# KiCad board digital.kicad_pcb (continued)
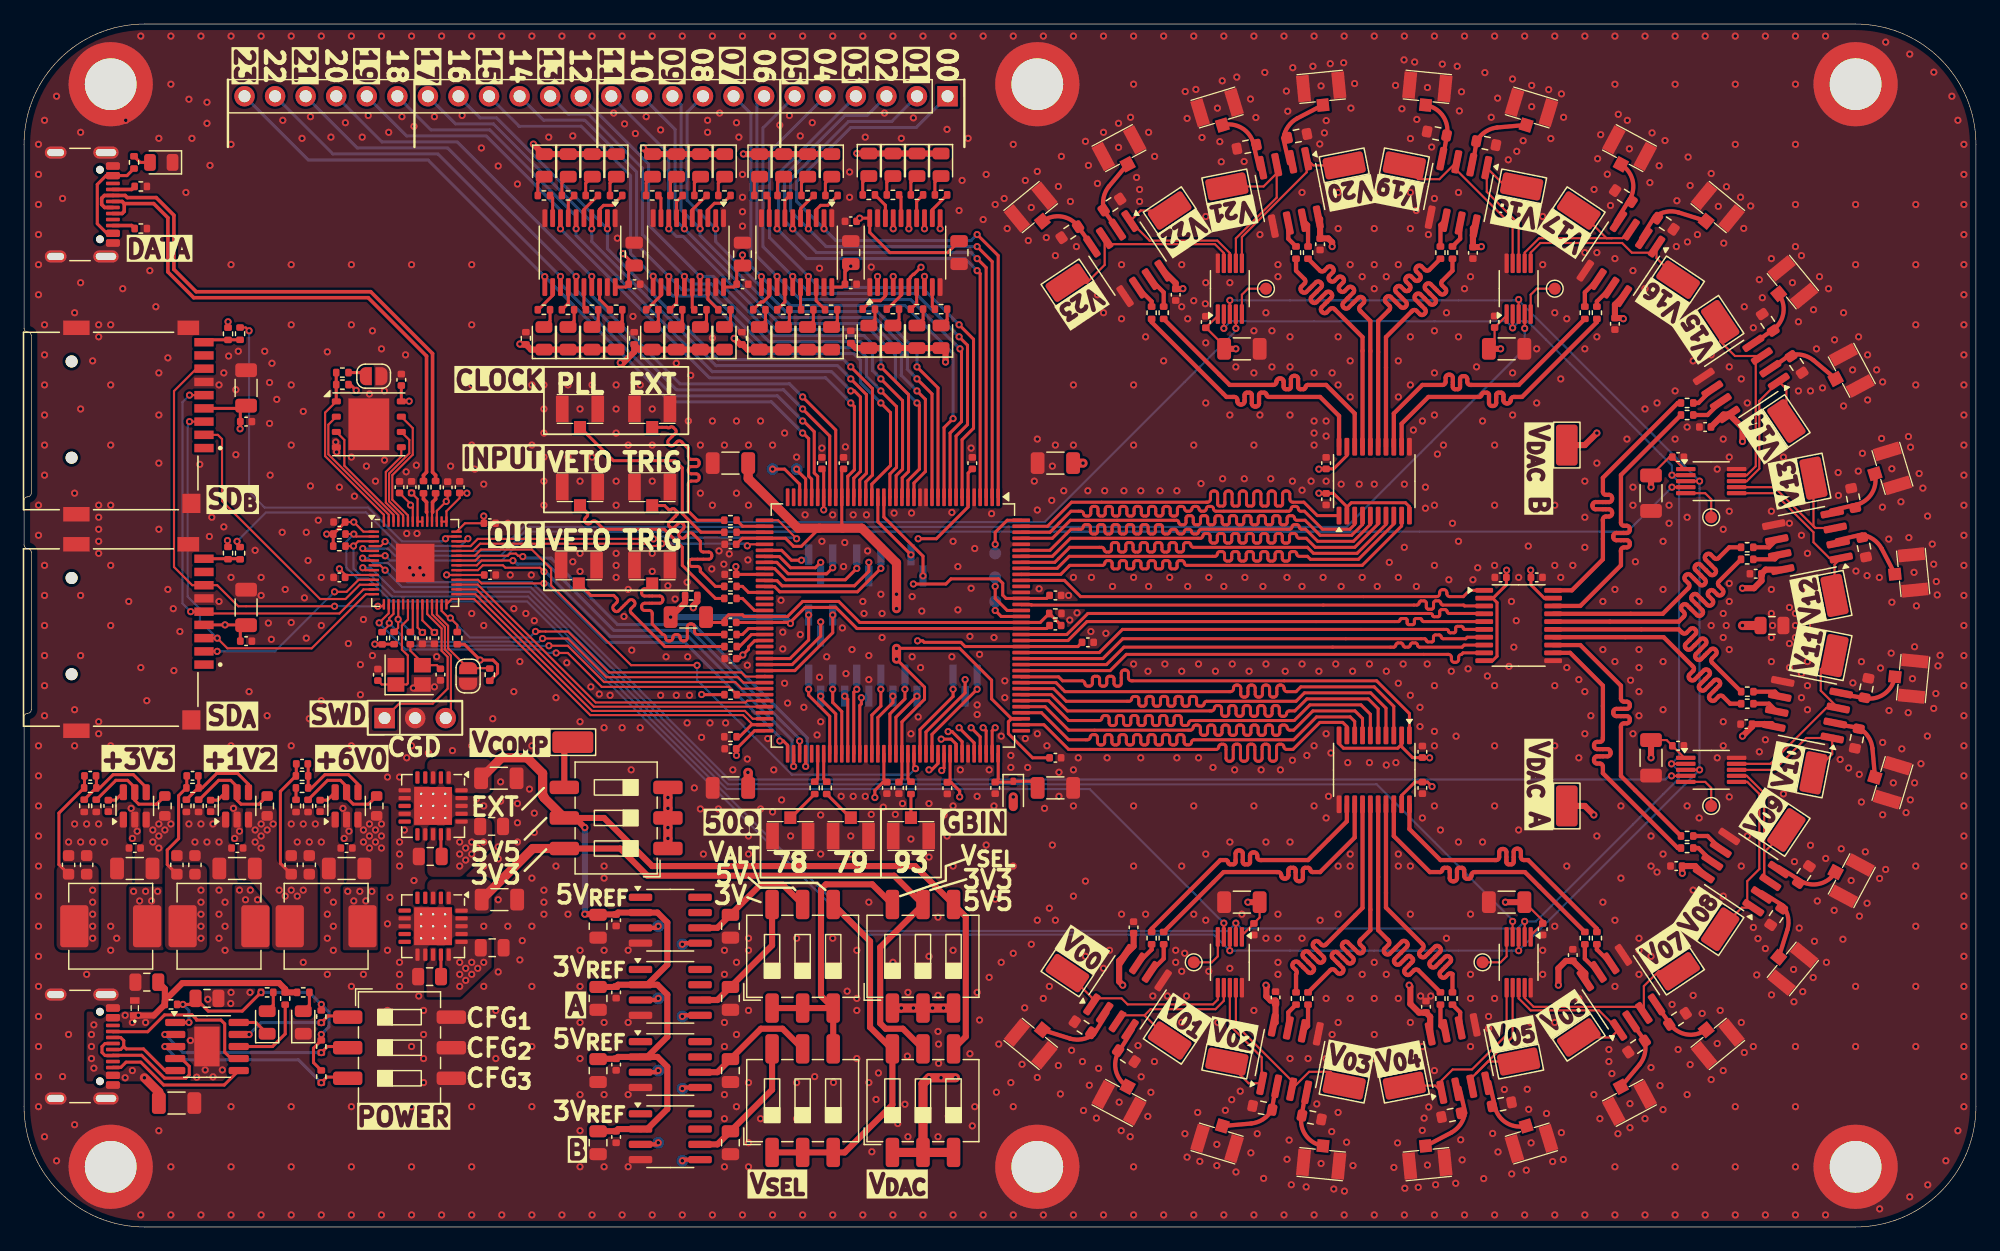
[diagram p0: board, top side]
## Nets (continued)
Net-(D7-K): C19.1 C20.1 D7.1 U1.108
Net-(D8-A): D8.2 R16.1
Net-(D9-A): D9.2 R18.1
Net-(D11-A): D11.2 R53.2
Net-(D12-A): D12.2 R54.2
Net-(D12-K): D12.1 U10.10
Net-(D13-A): D13.2 R58.1
Net-(D14-A): D14.2 R61.1
Net-(D14-K): D14.1 D15.1 D16.1 D17.1 D18.1 D19.1 D20.1 D21.1 R69.1
Net-(D15-A): D15.2 R62.1
Net-(D16-A): D16.2 R63.1
Net-(D17-A): D17.2 R64.1
Net-(D18-A): D18.2 R65.1
Net-(D19-A): D19.2 R66.1
Net-(D20-A): D20.2 R67.1
Net-(D21-A): D21.2 R68.1
Net-(D22-A): D22.2 R70.1
Net-(D22-K): D22.1 D23.1 D24.1 D25.1 D26.1 D27.1 D28.1 D29.1 R78.1
Net-(D23-A): D23.2 R71.1
Net-(D24-A): D24.2 R72.1
Net-(D25-A): D25.2 R73.1
Net-(D26-A): D26.2 R74.1
Net-(D27-A): D27.2 R75.1
Net-(D28-A): D28.2 R76.1
Net-(D29-A): D29.2 R77.1
Net-(D30-A): D30.2 R80.1
Net-(D30-K): D30.1 D31.1 D32.1 D33.1 D34.1 D35.1 D36.1 D37.1 R88.1
Net-(D31-A): D31.2 R81.1
Net-(D32-A): D32.2 R82.1
Net-(D33-A): D33.2 R83.1
Net-(D34-A): D34.2 R84.1
Net-(D35-A): D35.2 R85.1
Net-(D36-A): D36.2 R86.1
Net-(D37-A): D37.2 R87.1
Net-(J1-In): J1.1 R1.1
Net-(J2-In): J2.1 R2.1
Net-(J3-In): J3.1 R3.1
Net-(J4-In): J4.1 R4.1
Net-(J5-In): J5.1 R5.1
Net-(J6-In): J6.1 R6.1
Net-(J7-In): J7.1 R7.1
Net-(J8-In): J8.1 R8.1
Net-(J9-In): J9.1 R9.1
Net-(J10-Pin_1): J10.1 U1.42
Net-(J10-Pin_2): J10.2 U1.43
Net-(J10-Pin_3): J10.3 U1.44
Net-(J11-Pin_1): J11.1 U1.45
Net-(J11-Pin_2): J11.2 U1.47
Net-(J11-Pin_3): J11.3 U1.48
Net-(J12-Pin_1): J12.1 U1.80
Net-(J12-Pin_2): J12.2 U1.81
Net-(J12-Pin_3): J12.3 U1.82
Net-(J12-Pin_4): J12.4 U1.83
Net-(J12-Pin_5): J12.5 U1.84
Net-(J12-Pin_6): J12.6 U1.85
Net-(J12-Pin_7): J12.7 U1.87
Net-(J12-Pin_8): J12.8 U1.88
Net-(J12-Pin_9): J12.9 U1.90
Net-(J12-Pin_10): J12.10 U1.91
Net-(J13-Pin_1): J13.1 U1.60
Net-(J13-Pin_2): J13.2 U1.61
Net-(J13-Pin_3): J13.3 U1.62
Net-(J14-Pin_1): J14.1 U1.21
Net-(J14-Pin_2): J14.2 U1.20
Net-(J15-Pin_1): J15.1 U1.95
Net-(J15-Pin_2): J15.2 U1.96
Net-(J15-Pin_3): J15.3 U1.97
Net-(J16-DET): J16.9 R32.2 R33.1
Net-(J18-DET): J18.9 R35.2 R36.1
Net-(J19-CC1): J19.A5 U10.7
Net-(J19-CC2): J19.B5 U10.6
Net-(J20-CC1): J20.A5 R59.2
Net-(J20-CC2): J20.B5 R60.1
Net-(J20-VBUS-PadA4): J20.A4 J20.A9 J20.B4 J20.B9 R58.2
Net-(JP1-B): JP1.2 R24.1 U4.26
Net-(JP2-B): JP2.2 R27.1
Net-(R48-Pad2): R48.2 R50.2
Net-(SW6-Pad4): SW6.4 TP44.1
Net-(U1A-IOT_197_GBIN1): TP1.1 U1.128
Net-(U1A-IOT_198_GBIN0): TP2.1 U1.129
Net-(U1A-IOT_222): TP3.1 U1.144
Net-(U1D-IOL_25A): TP45.1 U1.33
Net-(U1D-IOL_25B): TP46.1 U1.34
Net-(U1E-GNDPLL0): C21.2 C22.2 C23.2 R20.1 U1.53 U1.127
Net-(U1E-VCCPLL0): C21.1 C22.1 C23.1 R17.2 U1.54 U1.126
Net-(U2-1Y0): R10.2 U2.18
Net-(U2-1Y1): R11.2 U2.16
Net-(U2-1Y2): R12.2 U2.14
Net-(U2-1Y3): R13.2 U2.12
Net-(U2-2Y0): R14.2 U2.3
Net-(U2-2Y1): R15.2 U2.5
Net-(U2-2Y2): R16.2 U2.7
Net-(U2-2Y3): R18.2 U2.9
Net-(U5-BOOT): C41.1 U5.6
Net-(U5-EN): R39.2 R41.2 U5.5
Net-(U5-FB): C44.1 R38.1 R40.2 U5.4
Net-(U5-SW): C41.2 L1.1 U5.2
Net-(U6-NR): C52.1 U6.14
Net-(U7-NR): C53.1 U7.14
Net-(U8-BOOT): C51.1 U8.6
Net-(U8-EN): R43.2 R45.2 U8.5
Net-(U8-FB): C56.1 R42.1 R44.2 U8.4
Net-(U8-SW): C51.2 L2.1 U8.2
Net-(U9-BOOT): C59.1 U9.6
Net-(U9-EN): R47.2 R49.2 U9.5
Net-(U9-FB): C62.1 R46.1 R48.1 U9.4
Net-(U9-SW): C59.2 L3.1 U9.2
Net-(U10-CFG1): R55.1 SW1.1 U10.9
Net-(U10-CFG2): R56.1 SW1.2 U10.2
Net-(U10-CFG3): R57.1 SW1.3 U10.3
Net-(U10-DM): J19.A7 J19.B7 U10.5
Net-(U10-DP): J19.A6 J19.B6 U10.4
Net-(U10-VBUS): R51.2 U10.8
Net-(U10-VDD): C67.1 R52.2 R54.1 R55.2 R56.2 R57.2 U10.1
Net-(U11-1Y0): R61.2 U11.18
Net-(U11-1Y1): R62.2 U11.16
Net-(U11-1Y2): R63.2 U11.14
Net-(U11-1Y3): R64.2 U11.12
Net-(U11-2Y0): R65.2 U11.3
Net-(U11-2Y1): R66.2 U11.5
Net-(U11-2Y2): R67.2 U11.7
Net-(U11-2Y3): R68.2 U11.9
Net-(U12-1Y0): R70.2 U12.18
Net-(U12-1Y1): R71.2 U12.16
Net-(U12-1Y2): R72.2 U12.14
Net-(U12-1Y3): R73.2 U12.12
Net-(U12-2Y0): R74.2 U12.3
Net-(U12-2Y1): R75.2 U12.5
Net-(U12-2Y2): R76.2 U12.7
Net-(U12-2Y3): R77.2 U12.9
Net-(U13-1Y0): R80.2 U13.18
Net-(U13-1Y1): R81.2 U13.16
Net-(U13-1Y2): R82.2 U13.14
Net-(U13-1Y3): R83.2 U13.12
Net-(U13-2Y0): R84.2 U13.3
Net-(U13-2Y1): R85.2 U13.5
Net-(U13-2Y2): R86.2 U13.7
Net-(U13-2Y3): R87.2 U13.9
Net-(U14-Temp): TP5.1 U14.3
Net-(U14-Trim/NR): TP6.1 U14.5
Net-(U15-RDY/~{BSY}): TP11.1 U15.5
Net-(U16-RDY/~{BSY}): TP18.1 U16.5
Net-(U17-Temp): TP14.1 U17.3
Net-(U17-Trim/NR): TP16.1 U17.5
Net-(U18-RDY/~{BSY}): TP23.1 U18.5
Net-(U19-Temp): TP25.1 U19.3
Net-(U19-Trim/NR): TP27.1 U19.5
Net-(U20-RDY/~{BSY}): TP31.1 U20.5
Net-(U21-RDY/~{BSY}): TP38.1 U21.5
Net-(U22-Temp): TP34.1 U22.3
Net-(U22-Trim/NR): TP36.1 U22.5
Net-(U23-RDY/~{BSY}): TP43.1 U23.5
Net-(U24-B1): R91.2 U24.20
Net-(U24-B2): R92.2 U24.18
Net-(U24-B3): R93.2 U24.17
Net-(U24-B4): R94.2 U24.16
Net-(U24-B5): R95.2 U24.15
Net-(U24-B6): R98.2 U24.14
Net-(U24-B7): R99.2 U24.13
Net-(U24-B8): R100.2 U24.12
Net-(U29-B1): R105.2 U29.20
Net-(U29-B2): R106.2 U29.18
Net-(U29-B3): R109.2 U29.17
Net-(U29-B4): R110.2 U29.16
Net-(U29-B5): R111.2 U29.15
Net-(U29-B6): R112.2 U29.14
Net-(U29-B7): R113.2 U29.13
Net-(U29-B8): R116.2 U29.12
Net-(U34-B1): R121.2 U34.20
Net-(U34-B2): R122.2 U34.18
Net-(U34-B3): R123.2 U34.17
Net-(U34-B4): R126.2 U34.16
Net-(U34-B5): R127.2 U34.15
Net-(U34-B6): R128.2 U34.14
Net-(U34-B7): R129.2 U34.13
Net-(U34-B8): R130.2 U34.12

Pads without a net: J16 1 8; J18 1 8; J19 A8 B8; J20 A8 B8; U1 35 36 50 51 58 77 109 133; U6 4 5 6 9 10; U7 4 5 8 10 11; U14 1 7 8; U17 1 7 8; U19 1 7 8; U22 1 7 8

## Via types
v1: diameter 0.6, hole 0.3, Top to Bottom, 1885 vias

## Routing (per net, layer and track width the routed paths; a pad name or vN(x,y) marks a point on that pad's centre or on a via; arc(x,y) is an arc through that point)
+1V1: length 22.8
  Top w0.178: 35.2,60.43 34.3,59.53 U4.45 ; 35.2,60.43 C33.1 ; 35.2,60.43 v1(35.08,60.32) ; U4.50 32.3,59.82 v1(32.11,60.01) 32.11,60.11 C25.1 ; v1(34.1,49.43) 33.1,50.43 U4.23 33.1,52.02 33.11,52.03
  In2.Cu w0.762: 34.1,59.33 v1(35.08,60.32) 34.78,60.01 ; 34.1,59.33 33.42,60.01 v1(32.11,60.01) ; 34.1,59.33 v1(34.1,49.43)
+1V2: length 176.4
  Top w0.254: C15.1 67.95,62.87 U1.27 67.95,58.14 68,58.09 ; v1(72.5,47.2) 74.83,44.87 74.83,43.86 72.95,41.99 U1.92 72.95,37.26 72.7,37.01 ; C46.2 11.9,30.13 11.9,31.34 12.84,32.28 12.84,35.85 R38.2 13.52,36.53 C44.2 ; v1(72.5,48.1) 77.75,48.1 80.4,45.45 80.4,43.9 82.05,42.25 U1.111 82.05,42.25 81.8,41.99 81.8,41.01 83.8,39 C13.1 ; 66.1,58.09 64.59,56.58 63.94,56.58 63.27,57.25 U1.40 59.69,57.25 59.19,56.75 C14.1 ; v1(72.5,51.4) v1(72.5,52.6) 72.5,54.34
  Top w0.508: v1(55.61,51.47) 55.61,51.66 55.95,52 R17.1
  Top w0.762: v1(72.5,47.2) v1(72.5,48.1) ; C16.1 60.17,62.22 64.31,58.09 69.61,58.09 72.5,55.2 v1(72.5,51.4)
  In2.Cu w0.762: v1(72.5,47.2) v1(72.5,52.6) 71.4,53.7 57.1,53.7 55.61,52.21 v1(55.61,51.47) 55.61,51.34 50.07,45.8 15.1,45.8 7.7,38.4 7.7,26.4 8.2,25.9 14.6,25.9 v1(14.7,26)
  vias: v1(14.7,28) v1(14.7,27) v1(14.7,25) v1(14.7,24)
+3V3: length 173.7
  Top w0.178: v1(26.2,54.71) 26.68,54.23 C27.1 26.88,54.2 U4.10 ; C28.1 U4.33 35.13,54.2 v1(35.12,54.21) ; U4.22 32.7,49.83 v1(33.1,49.43) ; v1(36.8,61) 36.78,61.02 C34.1 36.2,60.6 35.1,59.5 U4.43 U4.44 ; U4.48 U4.49 32.7,60.52 v1(32.2,61.02) ; 26.68,58.59 C26.1 v1(27.4,58.6) 28.2,57.8 U4.1 ; U4.42 36.64,58.5 C29.1 38.22,59.08 v1(38.2,59.1)
  Top w0.254: v1(17.95,66.35) 17.97,66.37 C38.1 17.97,67.8 C37.1 18.23,68.05 J18.4 ; C17.1 78.45,62.67 U1.6 78.45,59.85 75.81,57.21 v1(74.3,57.21) ; v1(59.2,39.2) 59.18,39.22 C8.1 59.2,39.75 60.7,41.25 U1.72 ; C3.1 87.57,48.25 U1.123 78.2,48.25 77.85,48.6 74.8,48.6 74.67,48.73 v1(74.25,48.73) ; U29.10 122.03,47.08 122.4,47.44 122.4,51.91 122.03,52.28 U29.2 122.07,52.28 123.18,53.38 C103.1 123.18,54.58 v1(123.2,54.6) ; C11.2 v1(69.44,83.86) U2.20 70.28,82.67 71.95,81 76.75,81 C10.2 ; C57.2 2.9,30.13 2.9,34.41 R42.2 5.02,36.53 C56.2 ; R22.1 R23.1 ; R23.1 25.7,57.6 26.68,58.58 C26.1 ; R23.1 v1(25.15,57.6) ; U1.100 76.95,37.19 C6.1 77.03,36.96 77.75,36.24 v1(77.75,35.75) ; v1(107.6,61) 107.62,60.98 C109.1 108.82,60.98 109.92,59.87 U34.2 109.92,59.83 110.29,60.2 114.8,60.2 115.13,59.87 U34.10 ; U24.10 109.27,40.17 109.64,39.8 114.15,39.8 114.48,40.13 U24.2 114.48,39.92 115.38,39.02 C99.1 116.78,39.02 v1(116.8,39) ; v1(66.45,59.61) U1.30 66.45,62.87 C1.1 ; C36.1 17.97,49.55 C35.1 18.42,50.05 v1(16.7,50.05) J16.4 ; 59.43,47.25 v1(59.73,47.55) ; 59.43,47.25 C7.1 ; 59.43,47.25 60.2,48.02 60.2,48.22 60.71,48.73 60.91,48.73 60.93,48.75 U1.57 ; R32.1 16.95,57.01 v1(16.9,57.06) ; C69.2 68.22,79.39 v1(68.7,79.87) ; C69.2 68.22,79.57 C68.2 ; C69.2 67.98,78.14 U11.20 ; v1(29.15,48.45) 29.17,48.43 R30.1 29.77,48.45 R29.1 ; C5.1 84.97,52.25 U1.131 81.6,52.25 81.33,52.52 81.33,53.51 80.96,53.88 77.03,53.88 76.6,53.45 v1(73.9,53.45) ; v1(59.15,54.9) 59.18,54.87 C9.1 U1.46 ; v1(70.7,35.7) 70.7,36.29 71.39,36.98 C4.1 71.45,37.23 U1.89 ; v1(49.77,80.91) 50.7,79.99 C72.2 50.24,79.47 C73.2 50,78.14 U13.20 ; v1(59.7,80.8) C70.2 59.22,79.44 C71.2 58.98,78.14 U12.20 ; C32.1 U3.8 31.98,68.63 v1(32,68.65) ; R31.1 56.32,44.25 v1(56.3,44.26) ; R28.1 36.59,48.44 37.89,47.14 v1(37.89,47.13) 38.97,47.13 39.35,46.75 39.35,46.05 R24.2 ; R21.1 27.12,70.03 v1(27.6,69.55) ; R35.1 v1(16.95,75.25)
  Top w0.762: C2.1 60.17,37.76 v1(60.15,37.79) ; D7.2 v1(82.2,35.75) ; C18.1 v1(88,63.5)
  vias: v1(5.7,28) v1(5.7,27) v1(5.7,26) v1(5.7,25) v1(5.7,24)
+3V3_A: length 56.1
  Top w0.508: SW2.5 73.03,16.48 71.59,16.48 71.14,16.93 71.14,23.25 SW4.5 72.31,29.2 51.8,29.2 49.54,31.46 SW6.6
  Top w0.762: C49.1 42.28,31.46 SW6.6
+5V5_A: length 110.7
  Top w0.508: C75.1 47.71,7.96 C74.1 49.38,8.13 U14.2 51.79,8.13 53.45,9.8 53.45,13.31 52.63,14.13 U17.2 ; v1(46.6,33.2) 45.8,34 SW6.5 48.2,34 52.2,30 74.05,30 SW4.4 78.26,25.79 78.26,15.82 SW2.4 ; U19.2 51.79,20.13 53.45,21.8 53.45,25.31 52.63,26.14 U22.2 49.36,26.14 C93.1 47.73,25.98 C94.1 47.65,26 v1(46.6,26) ; U19.2 52.63,20.13 53.45,19.31 53.45,15.8 51.79,14.13 U17.2 ; U19.2 49.36,20.13 C86.1 49.17,19.95 C87.1 ; U17.2 49.36,14.13 C81.1 47.73,13.98 C82.1
  Top w0.762: SW6.5 43.2,35.69 43.2,35.77 43.09,35.88 43.09,37.71 41.8,39 39.68,39 C50.1
  Bottom w0.508: v1(46.6,33.2) v1(46.6,26)
+6V: length 10.1
  Top w0.254: C64.2 21.3,30.22 21.3,36.21 R46.2 22.62,37.53 C62.2
  vias: v1(10.7,33) v1(10.7,32) v1(11.2,33.5) v1(11.2,32.5) v1(11.2,31.5) v1(11.7,33) v1(12.2,33.5) v1(19.2,33) v1(19.2,32) v1(19.7,33.5) v1(19.7,32.5) v1(19.7,31.5) v1(20.2,33) v1(20.7,33.5) v1(21.2,28) v1(21.7,27.5) v1(22.2,28) v1(22.7,27.5) v1(23.2,28) v1(36.2,32) v1(36.2,31) v1(36.2,30) v1(36.2,22) v1(36.2,21) v1(36.2,20) v1(36.7,31.5) v1(36.7,30.5) v1(36.7,21.5) v1(36.7,20.5) v1(37.2,32) v1(37.2,31) v1(37.2,22) v1(37.2,21) v1(37.7,31.5) v1(37.7,21.5) v1(38.2,32) v1(38.2,22)
+20V: length 19.9
  Top w0.508: C66.1 11.7,19.8 R52.1 ; D10.1 10.78,17.57 R52.1 ; R52.1 11.7,18.82 13.16,20.28 21.19,20.28 21.7,19.77 R51.1 R53.1
  Top w0.762: C65.1 11.2,11.2 v1(10,12.4)
  vias: v1(5.6,16) v1(5.6,15) v1(5.6,14) v1(5.8,16.8) v1(5.8,13.2) v1(8.4,17.6) v1(8.4,12.4) v1(9,17) v1(9,13) v1(9.5,17.6) v1(10.1,17) v1(28.2,33) v1(28.2,32) v1(28.7,33.5) v1(28.7,32.5) v1(28.7,31.5) v1(29.2,33) v1(29.2,32) v1(29.7,33.5) v1(29.7,32.5) v1(29.7,31.5)
GND:
  vias: v1(1.2,90) v1(1.2,87.5) v1(1.2,85) v1(1.2,82.5) v1(1.2,80) v1(1.2,77.5) v1(1.2,60) v1(1.2,57.5) v1(1.2,40) v1(1.2,37.5) v1(1.2,35) v1(1.2,32.5) v1(1.2,30) v1(1.2,27.5) v1(1.2,25) v1(1.2,22.5) v1(1.2,20) v1(1.2,17.5) v1(1.2,15) v1(1.2,12.5) v1(1.2,10) v1(1.7,92) v1(1.7,75) v1(1.7,72.5) v1(1.7,70) v1(1.7,67.5) v1(1.7,65) v1(1.7,62.5) v1(1.7,55) v1(1.7,52.5) v1(1.7,50) v1(1.7,47.5) v1(1.7,45) v1(1.7,42.5) v1(1.7,7.5) v1(2.7,94) v1(2.7,5.5) v1(3.2,85.5) v1(3.2,12.5) v1(3.7,32) v1(3.7,16) v1(4.2,76) v1(4.2,61) v1(4.2,43) v1(4.2,40) v1(4.2,33.5) v1(4.2,8.5) v1(4.7,91) v1(4.7,78.5) v1(4.7,68) v1(4.7,52.5) v1(4.7,47.5) v1(4.7,32) v1(5.2,33.5) v1(5.2,21) v1(5.7,72) v1(5.7,32) v1(6.2,75) v1(6.2,74) v1(6.2,60) v1(6.2,59) v1(6.2,58) v1(6.2,57) v1(6.2,56) v1(6.2,42) v1(6.2,41) v1(6.2,33.5) v1(6.7,32) v1(7.2,75) v1(7.2,70) v1(7.2,65) v1(7.2,60) v1(7.2,55) v1(7.2,50) v1(7.2,40) v1(7.2,25) v1(7.2,23) v1(7.7,24) v1(8.2,78) v1(8.45,92) v1(8.7,52) v1(9.7,99) v1(9.7,46.5) v1(9.7,1) v1(10.2,43.75) v1(10.45,79.5) v1(10.95,76.5) v1(11.2,90.5) v1(11.2,71) v1(11.2,67.5) v1(11.2,63.5) v1(11.2,58) v1(11.2,8) v1(11.95,72.25) v1(11.95,53) v1(12.2,99) v1(12.2,95) v1(12.2,5) v1(12.2,1) v1(12.4,51.4) v1(12.45,46.25) v1(12.95,49.5) v1(13.45,86) v1(13.7,93.75) v1(13.7,33.5) v1(13.83,15.5) v1(13.95,90.5) v1(14.2,32) v1(14.35,12.45) v1(14.6,63.4) v1(14.7,99) v1(14.7,33.5) v1(14.7,1) v1(15.05,13.05) v1(15.2,93.5) v1(15.2,91.75) v1(15.2,32) v1(15.28,18.93) v1(15.45,88.25) v1(15.4,57.4) v1(15.6,59) v1(15.7,33.5) v1(15.7,12.47) v1(16.2,70) v1(16.2,52) v1(16.2,32) v1(16.2,28) v1(16.2,26) v1(16.2,24) v1(16.48,13.05) v1(16.6,71) v1(16.6,58.2) v1(16.7,27) v1(16.7,25) v1(16.7,23) v1(17,72.4) v1(17.2,99) v1(17.2,90) v1(17.2,80) v1(17.2,54) v1(17.2,40) v1(17.2,19.5) v1(17.17,18.57) v1(17.2,10) v1(17.2,5) v1(17.2,1) v1(17.6,69.6) v1(17.6,64.2) v1(17.8,72.8) v1(18.7,44.5) v1(18.78,19.5) v1(19.2,56.25) v1(19.7,99) v1(19.7,54) v1(19.7,52.5) v1(19.7,1) v1(20,72.8) v1(20.2,42.5) v1(20.3,50.2) v1(20.4,70.2) v1(20.4,66.8) v1(20.45,62.5) v1(20.55,48.85) v1(20.6,71.8) v1(21,68.8) v1(21.45,57.75) v1(21.5,92) v1(21.7,53) v1(22.2,99) v1(22.2,80) v1(22.2,75) v1(22.2,70) v1(22.2,65) v1(22.2,50.25) v1(22.2,40) v1(22.2,33.5) v1(22.2,10) v1(22.2,5) v1(22.2,1) v1(22.7,32) v1(23.1,90.5) v1(23.2,67.8) v1(23.2,33.5) v1(23.2,22) v1(23.3,52.3) v1(23.45,57.75) v1(23.45,48.95) v1(23.6,55.4) v1(23.7,42.25) v1(23.7,32) v1(23.8,92.3) v1(23.8,61.6) v1(24.2,33.5) v1(24.45,58.75) v1(24.7,99) v1(24.7,54) v1(24.7,50) v1(24.7,43.75) v1(24.7,32) v1(24.7,1) v1(25.2,72.75) v1(25.2,28) v1(25.2,26) v1(25.2,24) v1(25.2,21) v1(25.5,90.6) v1(25.7,27) v1(25.7,25) v1(25.7,23) v1(25.9,65.25) v1(25.97,64.42) v1(26.2,61.5) v1(26.7,91.8) v1(26.95,48.5) v1(27.2,99) v1(27.2,80) v1(27.2,75) v1(27.2,64) v1(27.2,40) v1(27.2,20) v1(27.2,10) v1(27.2,5) v1(27.2,1) v1(27.45,60.75) v1(27.95,46.75) v1(27.95,44.25) v1(28.1,90.6) v1(28.2,50.5) v1(28.2,21) v1(28.45,63.25) v1(28.6,92.4) v1(28.7,69.25) v1(28.95,74.5) v1(28.95,47.5) v1(29.2,62) v1(29.7,99) v1(29.7,73) v1(29.7,1) v1(29.95,69.5) v1(29.95,63.75) v1(30.2,37.4) v1(30.2,25.2) v1(30.2,23) v1(30.2,18) v1(30.2,12) v1(30.3,91) v1(30.4,27.4) v1(31.2,37.4) v1(31.2,32) v1(31.2,31) v1(31.2,30) v1(31.2,22) v1(31.2,21) v1(31.2,20) v1(31.4,92.3) v1(31.6,33) v1(31.7,72.5) v1(31.75,62.78) v1(31.8,57.65) v1(31.8,39) v1(32.05,54.8) v1(32.2,99) v1(32.2,80) v1(32.2,40) v1(32.2,15) v1(32.2,10) v1(32.2,5) v1(32.2,1) v1(32.4,91.5) v1(32.35,54.2) v1(32.35,44.8) v1(32.4,28.8) v1(32.6,63.33) v1(32.65,57.65) v1(32.8,19.2) v1(32.9,54.8) v1(33.2,54.2) v1(33.2,18) v1(33.2,16) v1(33.2,14) v1(33.2,12) v1(33.6,39.4) v1(34.1,92.3) v1(34.1,44.9) v1(34.29,47.41) v1(34.7,99) v1(34.7,1) v1(35.45,63.25) v1(35.6,39.6) v1(36.4,92.4) v1(37.2,99) v1(37.2,80) v1(37.2,75) v1(37.2,70) v1(37.2,65) v1(37.2,51) v1(37.2,40) v1(37.2,10) v1(37.2,5) v1(37.2,1) v1(37.45,63) v1(37.6,35.6) v1(38,89.7) v1(38.2,61.75) v1(38.2,50) v1(38.2,35) v1(38.2,30) v1(38.2,25) v1(38.2,20) v1(38.95,42.25) v1(39.2,18) v1(39.2,14) v1(39.4,88.2) v1(39.4,31.6) v1(39.4,30.6) v1(39.4,27.2) v1(39.4,21.2) v1(39.6,37) v1(39.6,35.4) v1(39.7,99) v1(39.7,1) v1(40.2,58.5) v1(40.2,25) v1(40.4,54.2) v1(40.7,51.4) v1(40.7,44.5) v1(41,86.7) v1(41,35.2) v1(41,33.6) v1(41,32) v1(41.2,47) v1(41.2,22.2) v1(41.4,23.8) v1(41.7,51) v1(42,36.4) v1(42.2,99) v1(42.2,70) v1(42.2,65) v1(42.15,54.2) v1(42.2,40) v1(42.2,29) v1(42.2,25) v1(42.2,20) v1(42.2,15) v1(42.2,10) v1(42.2,1) v1(42.4,50.4) v1(42.4,34.4) v1(42.4,32.8) v1(43.2,70) v1(43.2,68) v1(43.2,66) v1(43.2,64) v1(43.2,62) v1(43.2,60) v1(43.2,28) v1(43.2,27) v1(43.2,26) v1(43.6,90.6) v1(44.2,44) v1(44.2,30) v1(44.7,99) v1(44.7,1) v1(45.1,46.9) v1(45.2,70) v1(45.2,64) v1(45.2,26) v1(45.6,90.7) v1(45.6,55.3) v1(46.2,68) v1(46.2,62) v1(46.2,56) v1(46.2,54.5) v1(46.2,42) v1(46.2,23) v1(46.2,20) v1(46.2,17) v1(46.2,14) v1(46.2,11) v1(46.2,8) v1(46.2,5) v1(47.1,44.9) v1(47.2,99) v1(47.2,70) v1(47.2,64) v1(47.2,1) v1(47.8,44.3) v1(48.2,41.5) v1(48.2,30) v1(48.2,29) v1(48.2,23) v1(48.2,17) v1(48.2,11) v1(48.2,5) v1(48.7,44.2) v1(49,92.6) v1(49.2,70) v1(49.2,68) v1(49.2,66) v1(49.2,62) v1(49.2,60) v1(49.2,56) v1(49.2,55) v1(49.2,54) v1(49.3,82.2) v1(49.7,99) v1(49.7,41.5) v1(49.7,1) v1(49.9,91.7) v1(49.85,50.75) v1(50.2,65) v1(50.2,53) v1(50.2,23) v1(50.2,17) v1(50.2,11) v1(50.2,5) v1(50.45,38) v1(50.5,47.95) v1(50.6,75.7) v1(50.8,90.9) v1(51.2,70) v1(51.2,41.5) v1(51.7,92.3) v1(52.2,99) v1(52.2,68) v1(52.2,65) v1(52.2,62) v1(52.2,56) v1(52.2,54.5) v1(52.2,1) v1(52.9,91.2) v1(52.9,44.2) v1(53.35,47.4) v1(53.5,53.3) v1(54.1,52.2) v1(54.2,71.8) v1(54.2,44.2) v1(54.7,99) v1(54.7,1) v1(55.1,53.6) v1(55.1,41.9) v1(55.2,67) v1(55.15,47.4) v1(55.3,44.2) v1(55.4,70.8) v1(55.7,36.5) v1(56.2,65) v1(56.2,61) v1(56.2,34.75) v1(56.3,40.7) v1(56.45,31) v1(56.8,92) v1(56.8,91) v1(57,41.9) v1(57.2,99) v1(57.2,73.9) v1(57.2,67) v1(57.2,60) v1(57.15,54.7) v1(57.2,1) v1(57.75,56.2) v1(57.7,34.75) v1(57.8,92.6) v1(58.2,65) v1(58.15,55.1) v1(58.2,23) v1(58.2,21) v1(58.2,17) v1(58.2,15) v1(58.2,11) v1(58.2,9) v1(58.2,5) v1(58.3,41.9) v1(58.6,55.95) v1(58.9,38) v1(59.2,91.8) v1(59.2,67) v1(59.2,61) v1(59.2,22) v1(59.2,16) v1(59.2,10) v1(59.4,90.6) v1(59.7,99) v1(59.7,87.5) v1(59.7,85.6) v1(59.7,84.4) v1(59.7,83.2) v1(59.7,1) v1(60.1,46.7) v1(60.1,38.9) v1(60.2,65) v1(60.2,60) v1(60.15,55.45) v1(60.2,32.5) v1(60.2,31) v1(60.2,24) v1(60.2,23) v1(60.2,18) v1(60.2,12) v1(60.2,7) v1(60.2,5) v1(61.2,67) v1(61.2,34.75) v1(61.2,9) v1(61.8,40.6) v1(62.2,99) v1(62.2,65) v1(62.2,34.5) v1(62.2,21) v1(62.2,1) v1(62.3,38) v1(62.8,91.6) v1(62.9,52.1) v1(63.05,49.45) v1(63.05,48.05) v1(62.95,35.5) v1(63.2,66) v1(63.2,45.2) v1(63.45,43.55) v1(63.6,92.4) v1(63.7,32.5) v1(64.2,64) v1(64.2,24) v1(64.2,12) v1(64.2,9) v1(64.5,90.7) v1(64.5,49.25) v1(64.7,99) v1(64.7,1) v1(64.8,43.2) v1(64.9,59.2) v1(65.5,91.8) v1(65.7,12.5) v1(65.9,40.9) v1(66.1,79.7) v1(66.1,45.7) v1(66.2,42) v1(66.2,34.25) v1(66.2,31) v1(66.3,64.75) v1(66.3,57) v1(66.7,47.4) v1(67.2,99) v1(67.2,59.2) v1(67.2,24) v1(67.2,9) v1(67.2,1) v1(67.26,12.01) v1(67.9,35.8) v1(68,49.8) v1(68.1,54.9) v1(68.25,64.85) v1(68.2,56.9) v1(68.3,46) v1(68.4,19.6) v1(68.6,87.7) v1(68.6,85.6) v1(68.7,32.5) v1(68.7,31) v1(68.8,48) v1(68.9,59.2) v1(68.9,35.8) v1(69.2,23) v1(69.2,19) v1(69.2,18) v1(69.2,14) v1(69.7,99) v1(69.7,52) v1(69.7,1) v1(69.8,51) v1(69.9,90.6) v1(69.9,35.8) v1(70,59.2) v1(70.1,56.2) v1(70.2,47.5) v1(70.2,45.5) v1(70.2,27) v1(70.2,12) v1(70.4,79.8) v1(70.4,34.3) v1(70.45,6.25) v1(70.8,10.6) v1(71,12.8) v1(71.2,52.6) v1(71.3,51) v1(71.3,49) v1(71.4,34.9) v1(71.5,92.6) v1(72.2,99) v1(72.2,22) v1(72.2,1) v1(72.3,59.35) v1(72.4,34.3) v1(72.6,8.6) v1(72.9,90.5) v1(73,35.2) v1(73.2,10.2) v1(73.45,19.5) v1(73.4,14.2) v1(73.45,7.5) v1(73.75,59.35) v1(73.7,41) v1(73.7,32.25) v1(73.8,52.4) v1(73.8,47.4) v1(73.9,92.2) v1(74.3,42.4) v1(74.5,46.5) v1(74.6,51.2) v1(74.7,99) v1(74.7,1) v1(75.2,35.2) v1(75.2,30.75) v1(75.2,22.5) v1(75.95,25.75) v1(75.95,19.25) v1(75.95,16.25) v1(76,15.2) v1(76,13.6) v1(75.95,7.5) v1(76.45,34.25) v1(76.7,91.25) v1(76.7,32.5) v1(76.8,9.2) v1(77.1,59.4) v1(77.1,47.4) v1(77.2,99) v1(77.2,57) v1(77.2,35) v1(77.2,30) v1(77.2,23) v1(77.2,1) v1(77.6,54.9) v1(77.6,51.3) v1(77.7,84.5) v1(77.8,38) v1(77.95,87) v1(78.45,90.5) v1(78.6,49.1) v1(78.6,14.4) v1(78.7,64.75) v1(78.7,53.1) v1(78.8,8.4) v1(79,56.4) v1(79,10) v1(79.2,43.4) v1(79.2,42.6) v1(79.2,35.8) v1(79.2,19.5) v1(79.4,47.6) v1(79.4,17.2) v1(79.7,99) v1(79.7,83.75) v1(79.7,1) v1(79.95,87.5) v1(79.95,31.75) v1(80.2,38) v1(80.2,20.75) v1(80.4,59.3) v1(80.6,49) v1(80.6,35) v1(80.7,85) v1(80.7,27.25) v1(80.8,11.2) v1(81,15.2) v1(81.2,40.8) v1(81.2,22) v1(81.45,85.5) v1(81.5,45.4) v1(81.5,44) v1(81.7,83) v1(82,39.2) v1(82,38.2) v1(82,12) v1(82.2,99) v1(82.2,90) v1(82.2,30) v1(82.2,22.75) v1(82.2,10) v1(82.2,1) v1(82.93,13.52) v1(83.2,87) v1(83.2,40.6) v1(83.15,18.21) v1(83.45,82) v1(83.4,38.2) v1(83.7,84.75) v1(83.7,23.5) v1(83.95,62) v1(84.2,87.75) v1(84.2,65.5) v1(84.2,59.6) v1(84.2,41) v1(84.2,25.5) v1(84.2,12.42) v1(84.35,53.05) v1(84.7,99) v1(84.7,19) v1(84.7,1) v1(84.8,34.8) v1(84.95,82.25) v1(85,40) v1(85.2,26.5) v1(85.2,20) v1(85.45,63.25) v1(85.4,60.4) v1(85.45,31.75) v1(85.7,80.75) v1(85.7,65) v1(85.7,25.5) v1(85.95,86.5) v1(86,37.8) v1(86,35.8) v1(85.95,13.42) v1(86.12,11.05) v1(86.2,89) v1(86.4,61.2) v1(86.8,52.5) v1(86.9,50.45) v1(86.95,85.25) v1(87.05,14.69) v1(87.2,99) v1(87.2,75) v1(87.2,70) v1(87.2,65) v1(87.2,54) v1(87.2,38) v1(87.2,35) v1(87.2,27.5) v1(87.2,1) v1(87.45,81.5) v1(87.5,51.05) v1(87.6,39) v1(87.95,13.75) v1(88.04,9.69) v1(88.2,90.25) v1(88.2,28.75) v1(88.2,22.5) v1(88.45,88.25) v1(88.4,61.2) v1(88.52,11.78) v1(88.65,49.5) v1(88.7,54) v1(88.7,23.5) v1(89.11,9.05) v1(89.2,86.75) v1(89.2,77.5) v1(89.3,13.18) v1(89.7,99) v1(89.7,91) v1(89.7,76) v1(89.7,21.5) v1(89.7,1) v1(89.8,61.2) v1(89.9,49.35) v1(90,39) v1(90.2,23) v1(90.45,53.25) v1(90.95,91.75) v1(90.95,89.75) v1(91,10.37) v1(91.2,80) v1(91.2,75.5) v1(91.2,26) v1(91.17,8.01) v1(91.4,61.2) v1(91.92,7.5) v1(91.95,92.25) v1(92.2,99) v1(92.2,95) v1(92.2,70) v1(92.2,65) v1(92.2,54) v1(92.2,46.8) v1(92.2,35) v1(92.2,30) v1(92.2,5) v1(92.2,1) v1(92.45,87.25) v1(92.57,15.08) v1(92.7,86.25) v1(92.7,85.25) v1(92.8,61.2) v1(92.8,39) v1(92.83,12.48) v1(93.2,74) v1(93.2,26) v1(93.45,91) v1(93.45,53.25) v1(93.4,46.2) v1(93.38,9.19) v1(93.64,11.19) v1(93.8,19.2) v1(93.93,13.75) v1(93.95,89) v1(94.4,61.2) v1(94.7,99) v1(94.7,72) v1(94.7,1) v1(94.8,46.8) v1(95,19.2) v1(95.2,54) v1(95.7,23) v1(95.7,22) v1(95.8,61.2) v1(95.8,39) v1(96.2,80) v1(96.2,76.5) v1(96.2,46.2) v1(96.2,30) v1(96.2,21.25) v1(96.2,17) v1(96.45,22.75) v1(96.49,94.39) v1(96.47,7.75) v1(96.6,19.2) v1(96.64,5.81) v1(96.65,92.16) v1(96.7,75.5) v1(96.7,53.25) v1(97.2,99) v1(97.2,77) v1(97.2,65) v1(97.2,35) v1(97.2,26) v1(97.2,1) v1(97.38,94.57) v1(97.53,9.52) v1(97.6,46.8) v1(97.6,39) v1(97.7,5.45) v1(97.8,61.8) v1(97.88,90.57) v1(98.2,84) v1(98.2,78.5) v1(98.16,76.75) v1(98.2,73.5) v1(98.2,68.5) v1(98.2,31) v1(98.2,25.5) v1(98.45,54) v1(98.45,21.25) v1(98.8,38.2) v1(99,46.2) v1(99.12,6.87) v1(99.12,5.1) v1(99.17,93.01) v1(99.2,17) v1(99.37,90.22) v1(99.48,88.55) v1(99.57,95.28) v1(99.6,62.2) v1(99.7,99) v1(99.7,53.25) v1(99.7,1) v1(99.83,9.69) v1(100.2,78.5) v1(100.2,67.5) v1(100.2,32) v1(100.2,21.5) v1(100.4,46.8) v1(100.36,10.58) v1(100.6,38) v1(100.7,71.5) v1(100.71,4.57) v1(100.78,95.59) v1(101.06,11.29) v1(101.2,26) v1(101.39,88.57) v1(101.4,62.2) v1(101.45,54) v1(101.8,46.2) v1(101.92,93.77) v1(101.95,6.16) v1(102.2,99) v1(102.2,74.5) v1(102.2,71) v1(102.2,65) v1(102.2,35) v1(102.2,18) v1(102.2,1) v1(102.36,92.23) v1(102.48,7.75) v1(102.7,82.5) v1(102.7,67.5) v1(102.8,38) v1(102.95,53.25) v1(103.01,4.04) v1(103.1,95.98) v1(103.2,76) v1(103.2,46.8) v1(103.2,32) v1(103.2,24) v1(103.6,62.2) v1(103.7,74.5) v1(103.7,71.5) v1(104.2,80) v1(104.2,79) v1(104.2,26) v1(104.2,24) v1(104.2,22) v1(104.2,21) v1(104.4,38) v1(104.7,99) v1(104.7,1) v1(104.8,46.2) v1(104.9,94.43) v1(105.01,92.75) v1(104.95,54) v1(104.95,5.63) v1(105.13,7.22) v1(105.2,74) v1(105.2,71.5) v1(105.2,67.5) v1(105.2,32) v1(105.2,14) v1(105.31,3.51) v1(105.43,96.37) v1(105.4,62) v1(105.4,38.8) v1(106.2,86) v1(106.2,61.25) v1(106.2,53.25) v1(106.2,46.8) v1(106.2,24) v1(106.54,3.33) v1(106.6,39.2) v1(106.7,14) v1(106.95,62) v1(107.1,96.49) v1(107.2,99) v1(107.2,71) v1(107.2,67) v1(107.2,66) v1(107.2,65) v1(107.2,40) v1(107.2,35) v1(107.2,1) v1(107.43,10.23) v1(107.6,46.2) v1(107.67,90.03) v1(107.7,25.5) v1(107.78,94.86) v1(107.78,5.28) v1(107.95,54) v1(108.06,90.95) v1(108.21,91.97) v1(108.2,67) v1(108.2,65.75) v1(108.2,62) v1(108.2,41) v1(108.2,34) v1(108.2,19) v1(108.2,14) v1(108.4,35.8) v1(108.54,96.7) v1(108.6,39.4) v1(108.7,71) v1(108.7,16) v1(108.66,7.93) v1(108.84,3.15) v1(109,46.8) v1(109.2,86) v1(109.2,83) v1(109.2,74) v1(109.2,70) v1(109.2,30) v1(109.2,26) v1(109.2,17) v1(109.19,9.52) v1(109.45,61.75) v1(109.45,53.25) v1(109.7,99) v1(109.66,96.78) v1(109.73,2.98) v1(109.7,1) v1(109.9,7.04) v1(110,38.6) v1(110.2,80) v1(110.2,72) v1(110.2,69) v1(110.2,31) v1(110.2,30) v1(110.2,19) v1(110.26,93.02) v1(110.4,46.2) v1(110.43,5.1) v1(110.57,95.05) v1(110.95,61.75) v1(111.2,79) v1(111.2,54) v1(111.2,21) v1(111.8,46.8) v1(111.8,38.6) v1(112.2,99) v1(112.2,86) v1(112.2,83) v1(112.2,80) v1(112.2,78) v1(112.2,61.75) v1(112.2,22) v1(112.2,19) v1(112.2,16) v1(112.2,14) v1(112.2,1) v1(112.45,53.25) v1(113.2,79) v1(113.2,46.2) v1(113.2,38.4) v1(113.2,21) v1(113.45,55.25) v1(113.83,4.95) v1(113.97,94.9) v1(114,38.6) v1(114.14,6.98) v1(114.2,80) v1(114.2,72) v1(114.2,69) v1(114.2,54) v1(114.2,45.2) v1(114.2,31) v1(114.2,30) v1(114.2,19) v1(114.5,92.96) v1(114.6,46.8) v1(114.7,99) v1(114.67,97.02) v1(114.7,61.75) v1(114.7,56.5) v1(114.74,3.22) v1(114.7,1) v1(115.21,90.48) v1(115.2,86) v1(115.2,83) v1(115.2,74) v1(115.2,70) v1(115.2,44.2) v1(115.2,30) v1(115.2,26) v1(115.2,17) v1(115.45,66.25) v1(115.56,96.85) v1(115.74,92.07) v1(115.7,84.5) v1(115.7,53.25) v1(115.86,3.3) v1(116,43.2) v1(116,41.6) v1(116.05,19.2) v1(116.2,67) v1(116.2,34) v1(116.2,15) v1(116.19,8.03) v1(116.34,9.05) v1(116.45,61.5) v1(116.45,59.75) v1(116.62,94.72) v1(116.6,46.8) v1(116.62,5.14) v1(116.7,82.5) v1(116.73,9.97) v1(116.9,19.2) v1(116.97,89.77) v1(117.2,99) v1(117.2,85.5) v1(117.2,74.5) v1(117.2,71) v1(117.2,67.5) v1(117.2,60) v1(117.2,55) v1(117.2,45) v1(117.2,41.2) v1(117.2,40) v1(117.2,35) v1(117.2,13) v1(117.2,1) v1(117.3,3.51) v1(117.45,64.25) v1(117.7,33) v1(117.86,96.67) v1(117.95,65) v1(118.2,76) v1(118.2,24) v1(118.4,53.8) v1(118.6,46.2) v1(118.7,58.5) v1(119,40.8) v1(118.97,3.63) v1(119.09,96.49) v1(119.2,86) v1(119.2,74) v1(119.2,57) v1(119.2,32) v1(119.27,92.78) v1(119.45,94.37) v1(119.39,7.25) v1(119.5,5.57) v1(119.7,99) v1(119.7,78) v1(119.7,1) v1(120,46.4) v1(120.2,79) v1(120.2,26) v1(120.2,21) v1(120.2,19) v1(120.2,15) v1(120.4,53.8) v1(120.7,71.5) v1(120.8,54.8) v1(121.2,67) v1(121.2,32) v1(121.3,4.02) v1(121.39,95.96) v1(121.6,45.8) v1(121.7,17.5) v1(121.7,16.5) v1(121.92,92.25) v1(122.04,7.77) v1(122.2,99) v1(122.2,65) v1(122.2,60) v1(122.2,55) v1(122.2,45) v1(122.2,40) v1(122.2,35) v1(122.2,19) v1(122.2,1) v1(122.45,93.84) v1(122.48,6.23) v1(123.01,11.43) v1(123.34,88.71) v1(123.4,46.6) v1(123.6,52) v1(123.62,4.41) v1(123.69,95.43) v1(123.7,71) v1(123.7,67.5) v1(123.8,48.2) v1(124.04,89.42) v1(124,50.4) v1(124.2,54) v1(124.2,33) v1(124.57,90.31) v1(124.7,99) v1(124.7,1) v1(124.83,4.72) v1(124.92,11.45) v1(125,56.6) v1(125.03,9.78) v1(125.2,17) v1(125.23,6.99) v1(125.28,94.9) v1(125.28,93.13) v1(125.7,73) v1(125.7,68.5) v1(126.2,84) v1(126.2,80) v1(126.2,23) v1(126.2,21) v1(126.52,9.43) v1(126.7,94.55) v1(126.87,90.48) v1(127.02,5.43) v1(127.2,99) v1(127.2,76) v1(127.2,60) v1(127.2,55) v1(127.2,45) v1(127.2,40) v1(127.2,25) v1(127.2,17) v1(127.2,1) v1(127.7,70.5) v1(127.7,54) v1(127.75,7.84) v1(127.76,94.19) v1(127.93,92.25) v1(127.91,5.61) v1(128.2,75.5) v1(128.2,46.5) v1(128.2,30) v1(128.7,55) v1(129.2,45.5) v1(129.2,39) v1(129.2,19) v1(129.7,99) v1(129.7,81) v1(129.7,73) v1(129.7,62) v1(129.7,59) v1(129.7,56.5) v1(129.7,44.5) v1(129.7,41) v1(129.7,1) v1(130.2,42.5) v1(130.45,11) v1(130.47,86.25) v1(130.7,81) v1(130.7,74) v1(130.7,63.5) v1(130.7,32.5) v1(130.76,88.81) v1(131.02,90.81) v1(130.95,9) v1(131.2,52) v1(131.2,48) v1(131.2,27) v1(131.57,87.52) v1(131.7,14.75) v1(131.7,13.75) v1(131.83,84.92) v1(131.95,12.75) v1(132.2,99) v1(132.2,95) v1(132.2,80.5) v1(132.2,53) v1(132.2,47) v1(132.2,25.5) v1(132.2,20) v1(132.2,5) v1(132.2,1) v1(132.45,7.75) v1(132.48,92.5) v1(132.7,35) v1(132.7,29) v1(133.23,91.99) v1(133.2,65.5) v1(133.4,89.63) v1(133.45,10.25) v1(133.45,8.25) v1(133.5,45.45) v1(133.7,79.5) v1(133.7,61.5) v1(133.7,60) v1(133.7,41) v1(133.9,55.3) v1(134.2,52) v1(134.2,48) v1(134.2,46.5) v1(134.2,44.5) v1(134.2,42.5) v1(134.2,24) v1(134.2,23) v1(134.2,21) v1(134.7,99) v1(134.7,78) v1(134.7,68) v1(134.7,9) v1(134.7,1) v1(135.1,86.82) v1(135.2,32.5) v1(135.2,30) v1(135.2,22.5) v1(135.2,13.25) v1(135.29,90.95) v1(135.7,68.5) v1(135.7,29.5) v1(135.88,88.22) v1(135.95,11.75) v1(136.2,57) v1(136.2,53) v1(136.2,47) v1(136.2,43) v1(136.2,31) v1(136.2,9.75) v1(136.36,90.31) v1(136.7,60) v1(136.7,58.5) v1(136.95,18.5) v1(137.2,99) v1(137.2,95) v1(137.2,69.5) v1(137.2,65.5) v1(137.2,5) v1(137.2,1) v1(137.3,81.51) v1(137.35,85.31) v1(137.45,14.75) v1(138.23,81.89) v1(138.2,66.5) v1(138.2,59) v1(138.2,35) v1(138.2,11) v1(138.28,88.95) v1(138.45,86.58) v1(138.45,13.5) v1(138.7,72) v1(138.7,28) v1(138.7,19.25) v1(139.06,82.5) v1(139.2,34) v1(139.45,17.75) v1(139.7,99) v1(139.7,1) v1(140.2,87.58) v1(140.2,72.5) v1(140.2,50) v1(140.2,12.25) v1(140.7,63) v1(140.7,39) v1(140.7,15.25) v1(140.79,84.84) v1(140.95,18) v1(141.25,81.79) v1(141.2,65.5) v1(141.2,58) v1(141.2,51) v1(141.2,49) v1(141.2,42) v1(141.2,40) v1(141.2,27.5) v1(141.2,13) v1(141.45,50) v1(141.47,86.48) v1(141.7,71.5) v1(141.7,64) v1(141.7,59.5) v1(141.7,53.5) v1(141.7,52) v1(141.7,48) v1(141.7,35.75) v1(142.2,99) v1(142.2,95) v1(142.2,90) v1(142.2,10) v1(142.2,5) v1(142.2,1) v1(142.64,85.61) v1(142.7,70.5) v1(142.7,30) v1(142.7,17) v1(142.9,83.01) v1(142.95,76.5) v1(142.95,14.5) v1(143.2,68.5) v1(143.2,32.5) v1(143.48,84.88) v1(143.7,74.75) v1(143.71,24.9) v1(143.7,15) v1(143.99,20.95) v1(144.09,23.97) v1(144.2,78.75) v1(144.2,39.5) v1(144.45,77.25) v1(144.7,99) v1(144.7,40.5) v1(144.7,23.14) v1(144.7,1) v1(145.2,80.5) v1(145.2,59.5) v1(145.2,53) v1(145.2,51) v1(145.2,49) v1(145.2,47) v1(145.21,19.3) v1(145.3,50) v1(146.2,64) v1(146.2,36) v1(146.7,58.5) v1(146.7,51.5) v1(146.7,48.5) v1(146.7,46.5) v1(146.95,78.5) v1(147.04,21.41) v1(147.12,30.37) v1(147.08,18.72) v1(147.2,99) v1(147.2,95) v1(147.2,90) v1(147.2,85) v1(147.2,81.5) v1(147.2,51) v1(147.2,50) v1(147.2,49) v1(147.2,15) v1(147.2,10) v1(147.2,5) v1(147.2,1) v1(147.45,75.25) v1(147.45,69.5) v1(147.51,24.85) v1(147.7,80.75) v1(147.7,57.5) v1(147.7,46) v1(147.7,44) v1(147.81,19.56) v1(148.2,56) v1(148.2,53) v1(148.2,50) v1(148.2,47) v1(148.2,45) v1(148.2,43) v1(148.45,69.5) v1(148.45,31.73) v1(148.7,76.25) v1(148.68,20.73) v1(148.78,23.75) v1(148.95,73) v1(149.02,27.1) v1(149.2,79) v1(149.45,69.75) v1(149.7,99) v1(149.72,30.63) v1(149.7,1) v1(149.78,22) v1(149.95,78) v1(150.45,73.75) v1(150.42,26.32) v1(150.75,62.72) v1(150.77,60.81) v1(150.91,38.86) v1(151.01,31.44) v1(151.15,23.92) v1(151.2,76) v1(151.2,68.25) v1(151.62,38.16) v1(151.83,28.8) v1(151.95,71.25) v1(151.97,45.23) v1(152.2,85) v1(152.2,80) v1(152.23,54.53) v1(152.2,20) v1(152.2,15) v1(152.45,74) v1(152.42,62.83) v1(152.51,37.63) v1(152.51,25.84) v1(152.68,46.99) v1(152.68,35.33) v1(152.77,64.32) v1(153.01,31.18) v1(153.2,72.5) v1(153.2,68.75) v1(153.15,54.14) v1(153.15,26.91) v1(153.95,71.25) v1(154.17,53.99) v1(154.19,28.97) v1(154.2,1.5) v1(154.27,46.46) v1(154.45,70.25) v1(154.36,65.55) v1(154.43,59.84) v1(154.45,40.28) v1(154.45,34.27) v1(154.7,98.5) v1(154.7,29.72) v1(154.95,57.19) v1(154.98,42.93) v1(155.21,63.03) v1(155.22,51.94) v1(155.16,47.7) v1(155.33,36.92) v1(155.97,60.28) v1(156.04,39.75) v1(156.39,34.44) v1(156.59,65.71) v1(156.63,57.3) v1(156.57,42.75) 